# Altium PCB TEBF0808ASCII.PcbDoc (part 8 of 10) (continued)
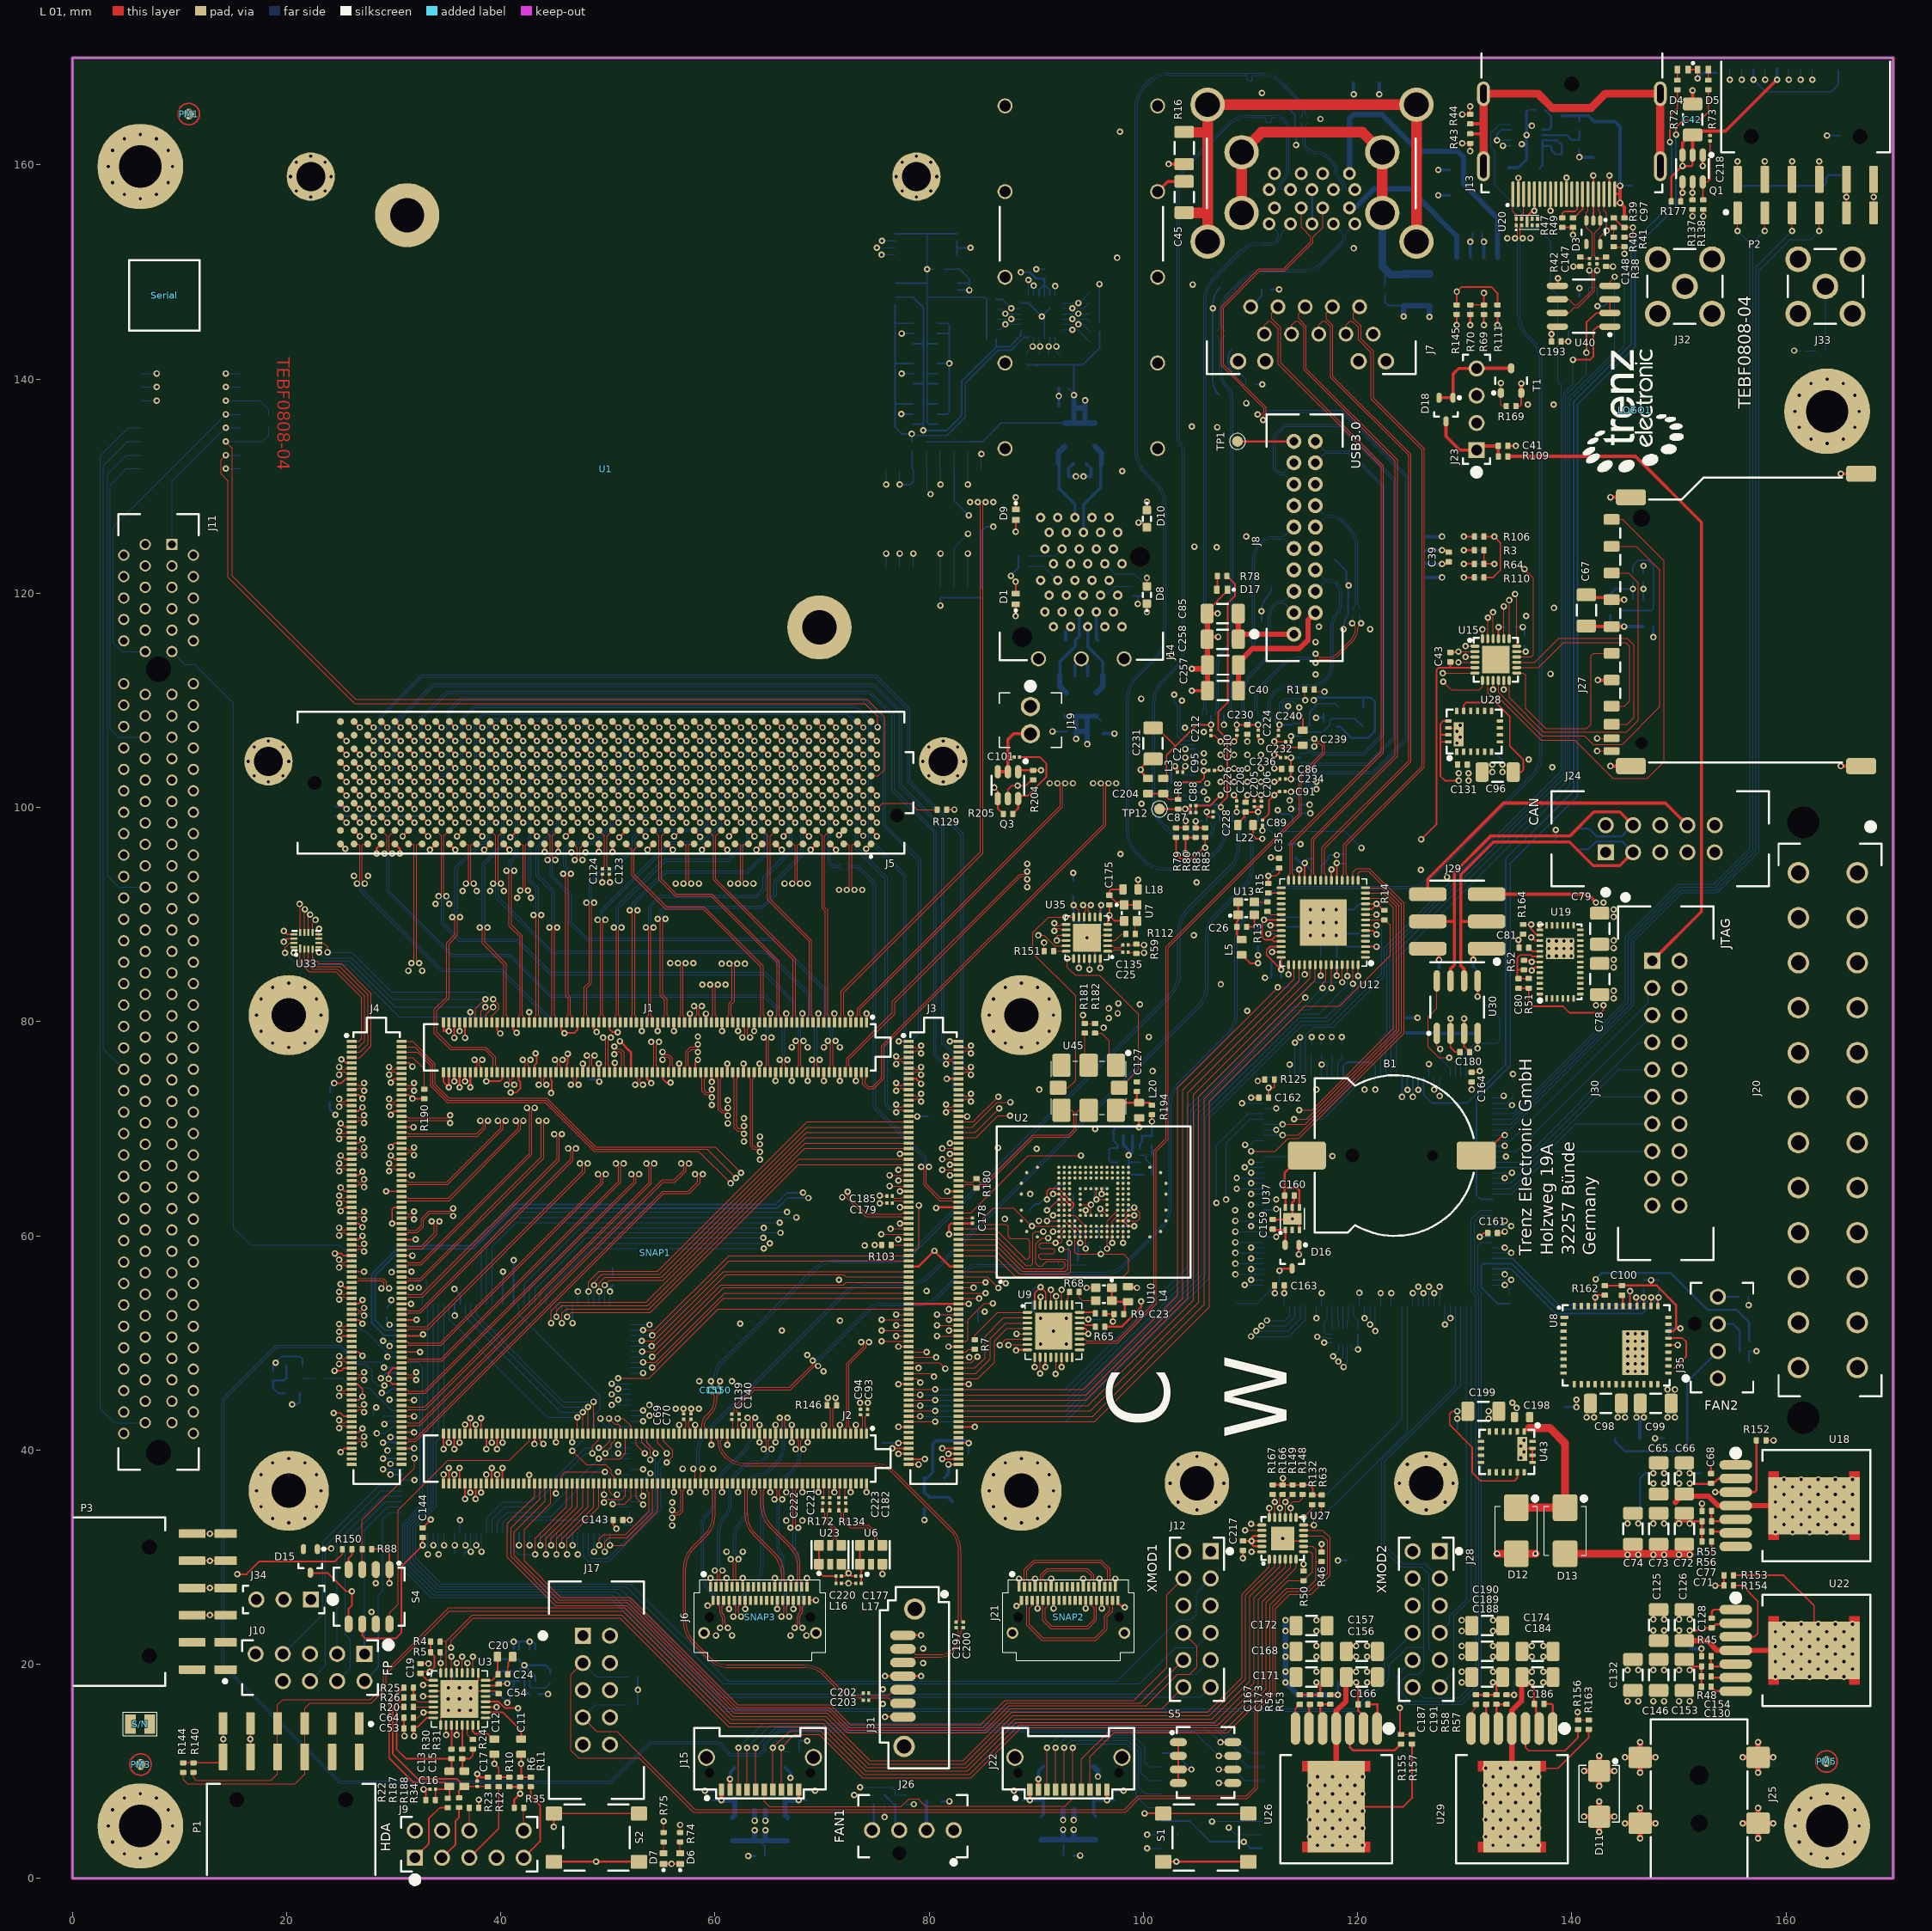
[diagram p0: L 01 view]
## Nets (pads, with @x,y where several pads share a name; then routed paths per layer and width w, separated by ;. In a path a pad name is that pad's centre, name@x,y a point inside that pad or via, vN(x,y) a via of type N, cw(c..) or ccw(c..) an arc to the next point about the centre after c; other vN are vias at no path point) (continued)
MIO29: J3.94 U17.38 | length 30.7
  L 01 w0.1: J3.94@82.74,55.153 v1(84.15,55.153)
  L 03 S w0.1: v1(84.15,55.153) 85.447,55.153 87.775,52.825 103.61,52.825 106.685,55.9 v1(110.06,55.9)
  L 16 w0.1: v1(110.06,55.9) U17.38@111.23,55.9
MIO30: J3.96 U39.48 | length 43.5
  L 01 w0.1: v1(50.35,46.2) v1@50.4,46.25 ; J3.96@82.74,54.653 v1(85.25,54.653)
  L 03 S w0.1: v1(50.35,46.2) 53.325,46.2 55.375,48.25 55.375,49.474 60.301,54.4 83.8,54.4 84.053,54.653 v1(85.25,54.653)
  L 16 w0.1: v1(50.35,46.2) U39.48@52.12,46.2
MIO31: J3.98 U39.49 | length 41.2
  L 01 w0.1: v1(50.95,45.7) v1@51.1,45.7 ; J3.98@82.74,54.153 v1(84.65,54.153)
  L 03 S w0.1: v1(50.95,45.7) 53.15,45.7 55.65,48.2 55.65,49.466 60.337,54.153 v1(84.65,54.153)
  L 16 w0.1: v1(50.95,45.7) U39.49@52.12,45.7
MIO32: J3.87 U39.40 | length 28.6
  L 01 w0.1: v1@53.29,50.2 54.34,50.2 60.793,56.653 J3.87@78.07,56.653
  L 16 w0.1: U39.40@52.12,50.2 v1@53.29,50.2
  other v1: 53.165,50.2
MIO33: J3.89 U39.41 | length 28.8
  L 01 w0.1: v1(54.09,49.7) 54.34,49.7 61.015,56.375 72,56.375 72.222,56.153 J3.89@78.07,56.153
  L 16 w0.1: U39.41@52.12,49.7 v1(54.09,49.7)
MIO34: J3.91 U39.42 | length 28.6
  L 01 w0.1: v1@53.29,49.2 54.34,49.2 60.54,55.4 71.975,55.4 72.228,55.653 J3.91@78.07,55.653
  L 16 w0.1: U39.42@52.12,49.2 v1@53.29,49.2
  other v1: 53.19,49.2
MIO35: J3.93 U39.43 | length 28.6
  L 01 w0.1: v1(54.14,48.7) 54.34,48.7 60.793,55.153 J3.93@78.07,55.153
  L 16 w0.1: U39.43@52.12,48.7 v1(54.14,48.7)
MIO36: J3.95 U39.44 | length 28.6
  L 01 w0.1: v1(53.29,48.2) 54.445,48.2 60.898,54.653 J3.95@78.07,54.653
  L 16 w0.1: U39.44@52.12,48.2 v1(53.29,48.2)
MIO37: J3.97 U39.45 | length 28.6
  L 01 w0.1: v1(54.14,47.7) 54.34,47.7 60.793,54.153 J3.97@78.07,54.153
  L 16 w0.1: U39.45@52.12,47.7 v1(54.14,47.7)
MIO40: J3.106 U39.54 | length 34.3
  L 01 w0.1: v1(81.831,52.153) J3.106@82.74,52.153
  L 03 S w0.1: v1(53.89,43.2) 60.325,43.2 63.525,46.4 74.575,46.4 80.328,52.153 v1(81.831,52.153)
  L 16 w0.1: U39.54@52.12,43.2 v1(53.89,43.2)
MIO41: J3.108 U39.55 | length 34.3
  L 01 w0.1: v1(80.731,51.653) J3.108@82.74,51.653
  L 03 S w0.1: v1(53.29,42.7) 54.2,42.7 54.475,42.975 60.5,42.975 63.625,46.1 74.65,46.1 79.213,50.662 80.203,51.653 v1(80.731,51.653)
  L 16 w0.1: U39.55@52.12,42.7 v1(53.29,42.7)
MIO42: J3.110 U39.60 | length 37.5
  L 01 w0.1: v1(81.831,51.153) J3.110@82.74,51.153
  L 03 S w0.1: v1(50.95,40.475) 52.003,41.528 59.428,41.528 63.725,45.825 74.8,45.825 80.128,51.153 v1(81.831,51.153)
  L 16 w0.1: v1(50.95,40.475) 51.225,40.2 U39.60@52.12,40.2
MIO43: J3.112 U39.61 | length 37.5
  L 01 w0.1: v1(80.731,50.653) J3.112@82.74,50.653
  L 03 S w0.1: v1(50.95,39.7) 52.5,41.25 59.525,41.25 63.8,45.525 74.95,45.525 80.078,50.653 v1(80.731,50.653)
  L 16 w0.1: v1(50.95,39.7) U39.61@52.12,39.7
MIO44: J3.101 U39.47 | length 31
  L 01 w0.1: v1(50.95,46.7) 53.85,46.7 60.303,53.153 J3.101@78.07,53.153
  L 16 w0.1: v1(50.95,46.7) U39.47@52.12,46.7
MMC-CCLK: R103.2 U2.U1 U2.U2 U2.U3 U2.W6 | length 27.4
  L 01 w0.1: v1(74.9,59.15) R103.2@75.555,59.15 ; v1(96.6,58.8) U2.U1@96.6,59.9 U2.U2@96.6,60.4 U2.U3@96.6,60.9 96.6,61.4 U2.W6@97.6,62.4
  L 05 S w0.1: v1(74.9,59.15) 88.375,59.15 89.85,57.675 94.625,57.675 95.75,58.8 v1(96.6,58.8)
MMC-CLKR: J3.77 R103.1 | length 1.6
  L 01 w0.1: R103.1@76.445,59.153 J3.77@78.07,59.153
MMC-CMD: J3.75 R89.2 U2.V1 U2.V2 U2.V3 U2.W5 | length 25.8
  L 01 w0.1: v1(77.1,59.653) J3.75@78.07,59.653 ; v1(97.1,59.35) U2.V1@97.1,59.9 U2.V2@97.1,60.4 U2.V3@97.1,60.9 97.1,61.4 U2.W5@97.6,61.9
  L 05 S w0.1: v1(77.1,59.653) 88.397,59.653 90.125,57.925 94.425,57.925 95.85,59.35 v1(97.1,59.35)
  L 16 w0.1: R89.2@96.75,59.93 97.1,59.58 v1(97.1,59.35)
MMC-D0: J3.72 R90.2 U2.H3 | length 24.3
  L 01 w0.1: J3.72@82.74,60.653 86.122,60.653 88.975,57.8 89.2,57.8 89.4,58 89.4,59.5 89.15,59.75 87.55,59.75 87.375,59.925 87.375,60.9 87.2,61.075 85.225,61.075 85.025,61.275 85.025,61.625 86,62.6 87.864,62.6 89.564,60.9 v1(89.6,60.9) U2.H3@92.1,60.9
  L 16 w0.1: R90.2@89.325,61.48 89.6,61.205 v1(89.6,60.9)
MMC-D1: J3.74 R91.2 U2.H4 | length 22.3
  L 01 w0.1: J3.74@82.74,60.153 86.097,60.153 89.025,57.225 89.475,57.225 89.675,57.425 89.675,60.175 89.9,60.4 v1(90.65,60.4) ; v1(91,61.4) U2.H4@92.1,61.4
  L 05 S w0.1: v1(90.65,60.4) 88.5,60.4 87.9,61 87.9,61.775 88.275,62.15 90.25,62.15 v1(91,61.4)
  L 16 w0.1: v1(91,61.4) 91.955,61.4 R91.2@92.555,62
MMC-D2: J3.76 R92.2 U2.H5 | length 22.3
  L 01 w0.1: J3.76@82.74,59.653 86.122,59.653 88.825,56.95 92.475,56.95 92.675,57.15 92.675,57.425 92.5,57.6 90.95,57.6 90.525,57.175 90.175,57.175 89.95,57.4 89.95,59.25 90.5,59.8 v1(91.1,59.8) ; v1(91.55,61.9) U2.H5@92.1,61.9
  L 05 S w0.1: v1(91.1,59.8) 91.1,60.625 91.85,61.375 91.85,61.6 v1(91.55,61.9)
  L 16 w0.1: v1(91.55,61.9) 91.55,61.945 R92.2@92.555,62.95
MMC-D3: J3.78 R93.2 U2.H1 U2.J2 | length 23.2
  L 01 w0.1: J3.78@82.74,59.153 86.222,59.153 88.675,56.7 92.725,56.7 92.95,56.925 92.95,57.575 92.7,57.825 90.4,57.825 90.25,57.975 90.25,58.2 90.4,58.35 91.6,58.35 91.7,58.45 91.7,58.7 91.575,58.825 90.4,58.825 90.275,58.95 90.275,59.2 90.425,59.35 v1(91.805,59.35) 92.3,59.35 92.4,59.45 92.4,59.625 92.125,59.9 U2.H1@92.1,59.9 U2.J2@92.6,60.4
  L 16 w0.1: v1(91.805,59.35) R93.2@92.555,60.1
MMC-D4: J3.80 R94.2 U2.H2 U2.J3 | length 22.8
  L 01 w0.1: J3.80@82.74,58.653 86.172,58.653 88.375,56.45 93,56.45 93.2,56.65 93.2,58.525 93,58.725 v1(92.325,58.725) ; v1(91.55,60.4) U2.H2@92.1,60.4 U2.J3@92.6,60.9
  L 05 S w0.1: v1(91.55,60.4) 92.425,61.275 93.375,61.275 93.6,61.05 93.6,58.925 93.4,58.725 v1(92.325,58.725)
  L 16 w0.1: v1(91.55,60.4) 91.905,60.4 R94.2@92.555,61.05
MMC-D5: J3.82 R95.2 U2.J4 U2.K3 U2.L1 U2.L2 | length 27.5
  L 01 w0.1: J3.82@82.74,58.153 86.097,58.153 88.025,56.225 98.15,56.225 98.625,56.7 98.625,57.825 98.15,58.3 v1(96.025,58.3) 93.775,58.3 93.6,58.475 U2.L1@93.6,59.9 U2.L2@93.6,60.4 U2.J4@92.6,61.4
  L 16 w0.1: R95.2@95.825,59.08 96.025,58.88 v1(96.025,58.3)
MMC-D6: J3.71 R96.2 U2.J5 U2.K5 U2.N1 U2.N2 U2.N3 | length 26.5
  L 01 w0.1: v1(76.4,60.65) 78.067,60.65 J3.71@78.07,60.653 ; U2.J5@92.6,61.9 U2.K5@93.1,61.9 93.6,61.9 94.1,61.4 U2.N3@94.6,60.9 U2.N2@94.6,60.4 U2.N1@94.6,59.9 v1(94.6,58.8)
  L 05 S w0.1: v1(76.4,60.65) 87.875,60.65 90.325,58.2 93.95,58.2 v1@94.6,58.85
  L 16 w0.1: v1(94.6,58.8) 94.9,59.1 R96.2@94.9,59.505
MMC-D7: J3.73 R99.2 U2.H8 U2.J6 U2.J7 | length 24.8
  L 01 w0.1: v1(75.525,60.15) 78.067,60.15 J3.73@78.07,60.153 ; v1@90.95,62.5 91.2,62.5 U2.H8@92.1,63.4 U2.J7@92.6,62.9 U2.J6@92.6,62.4
  L 05 S w0.1: v1(75.525,60.15) 75.525,60.75 76.725,61.95 79.225,61.95 80.35,63.075 90.325,63.075 v1(91,62.4)
  L 16 w0.1: v1(91,62.4) 92.2,63.6 92.45,63.6 92.555,63.705 R99.2@92.555,63.85
MMC_RST: J3.79 R184.2 U2.U5 | length 26.4
  L 01 w0.1: J3.79@78.07,58.653 78.728,58.653 79.025,58.95 v1(79.025,62.85) ; v1(95.975,62.525) U2.U5@96.6,61.9
  L 05 S w0.1: v1(79.025,62.85) 79.7,63.525 88.025,63.525 89.2,64.7 91.725,64.7 92.95,63.475 92.95,62.8 94.05,61.7 95.15,61.7 v1(95.975,62.525)
  L 16 w0.1: R184.2@95.825,61.72 95.975,61.87 v1(95.975,62.525)
MOD_EN: R153.2 R154.2 U39.119 | length 153.7
  L 01 w0.15: v1(153.38,27.345) 153.385,27.35 R154.2@154.205,27.35 R153.2@154.205,28.3
  L 14 S w0.15: v1(28.995,39.2) 28.362,38.567 28.362,36.988 29.55,35.8 29.55,31.4 37.1,23.85 53.9,23.85 62.05,15.7 96.275,15.7 97.175,14.8 150.45,14.8 153.38,17.73 v1(153.38,27.345)
  L 16 w0.15: v1(28.995,39.2) U39.119@30.78,39.2
MODE0: J2.109 U39.6 | length 18.7
  L 01 w0.1: J2.109@47.155,41.538 v1(47.155,43.045)
  L 16 w0.1: U39.6@35.2,53.62 35.2,52.2 44.355,43.045 v1(47.155,43.045)
MODE1: J2.107 U39.9 | length 17.8
  L 01 w0.1: J2.107@47.655,41.538 v1(47.655,43.535)
  L 16 w0.1: U39.9@36.7,53.62 36.7,52.4 45.565,43.535 v1(47.655,43.535)
MODE2: J2.105 U39.10 | length 18
  L 01 w0.1: J2.105@48.155,41.538 v1(48.155,44.025)
  L 16 w0.1: U39.10@37.2,53.62 37.2,52.65 45.825,44.025 v1(48.155,44.025)
MODE3: J2.103 U39.11 | length 18.3
  L 01 w0.1: J2.103@48.655,41.538 v1(48.655,44.514)
  L 16 w0.1: U39.11@37.7,53.62 37.7,52.675 45.861,44.514 v1(48.655,44.514)
MR: J2.83 U39.92 | length 22.8
  L 01 w0.1: J2.83@53.655,41.538 53.655,40.645 54.45,39.85 v1(54.45,39.7)
  L 16 w0.1: U39.92@40.7,32.28 40.7,33.2 40.95,33.45 51.175,33.45 51.625,33 52.651,33 54.45,34.798 v1(54.45,39.7)
NetC11_1: C11.1 U3.18 | length 4.8
  L 01 w0.15: U3.18@38.58,15.5 40.2,15.5 41.9,13.8 C11.1@41.9,13.01
NetC11_2: C11.2 C55.2 R6.2 R11.1 | length 4.4
  L 01 w0.15: C11.2@41.9,11.59 41.9,9.545 R6.2@41.8,9.445 R11.1@42.8,9.445
  L 16 w0.15: C55.2@41.8,11.85 41.9,11.75 v1(41.9,10.7)
NetC12_1: C12.1 U3.15 | length 2.9
  L 01 w0.15: U3.15@37.39,14.31 37.39,13.72 37.61,13.5 38.8,13.5 39.29,13.01 C12.1@39.4,13.01
NetC12_2: C12.2 C56.2 R10.2 R12.1 | length 4.5
  L 01 w0.15: C12.2@39.4,11.59 v1(39.4,10.7) 39.8,10.3 R12.1@39.8,9.445 R10.2@40.8,9.445
  L 16 w0.15: v1(39.4,10.7) C56.2@39.4,11.85
NetC13_1: C13.1 R20.1 R30.1 | length 11.2
  L 01 w0.15: R20.1@30.955,16 30.55,16 30.275,15.725 30.275,12.05 31.145,11.18 R30.1@35.4,11.18 35.4,10.21 C13.1@35.2,10.01
NetC13_2: C13.2 C16.2 R22.1 R25.2 R187.2 | length 17.4
  L 01 w0.15: R25.2@30.955,17.8 29.575,16.42 29.575,11.25 31.875,8.95 34.84,8.95 C13.2@35.2,8.59 ; R22.1@33.895,7.325 33.905,7.335 C16.2@33.905,8.325 34.935,8.325 C13.2@35.2,8.59 ; R187.2@35.05,7.495 35.2,7.645 C13.2@35.2,8.59
NetC15_1: C15.1 R24.1 R31.1 | length 3
  L 01 w0.15: C15.1@36.6,10.01 36.4,10.21 R31.1@36.4,11.18 37.105,11.18 37.4,11.475 R24.1@37.4,12.08
NetC15_2: C15.2 C17.2 R23.1 R26.2 R188.2 | length 17.2
  L 01 w0.15: R26.2@30.955,16.9 29.9,15.845 29.9,11.625 32.225,9.3 35.89,9.3 C15.2@36.6,8.59 ; R188.2@36.1,7.515 36.1,8.2 36.49,8.59 C15.2@36.6,8.59 ; R23.1@38.8,8.555 38.765,8.59 C15.2@36.6,8.59
NetC20_1: C20.1 C24.1 U3.24 | length 3.1
  L 01 w0.15: U3.24@38.58,18.5 39.2,18.5 C24.1@39.75,19.05 39.75,19.1 39.69,19.16 C20.1@39.69,20.7
NetC23_1: C23.1 L4.2 U10.1 U10.4 | length 4.1
  L 01 w0.2: U10.1@97.05,55.15 U10.4@97.05,53.95 97.16,53.84 L4.2@98.55,53.84 98.25,53.54 98.25,52.9 C23.1@98.05,52.7
NetC26_1: C26.1 L5.2 U13.1 U13.4 | length 3.7
  L 01 w0.2: U13.4@108.85,91.17 U13.1@108.85,89.97 108.85,89.475 108.725,89.35 C26.1@108.725,88.85 108.725,88.11 L5.2@109.175,87.66
NetC41_2: C41.2 D18.3 J23.1 R109.2 | length 7.9
  L 01 w0.3: D18.3@128.25,136.05 128.25,134.65 129.54,133.36 J23.1@131.1,133.36 131.49,133.75 C41.2@133.125,133.75 133.125,132.78 R109.2@133.13,132.775
NetC44_1: C44.1 J7.1 | length 2.1
  L 16 w0.15: J7.1@110.02,146.733 111.025,147.738 C44.1@111.025,148.375
NetC55_1: C55.1 U3.20 | length 4.5
  L 01 w0.15: U3.20@38.58,16.5 39.8,16.5 40.4,15.9 v1(41.6,15.9)
  L 16 w0.15: v1(41.6,15.9) 41.6,14.95 C55.1@41.8,14.75
NetC56_1: C56.1 U3.19 | length 2.4
  L 01 w0.15: U3.19@38.58,16 v1(39.6,16)
  L 16 w0.15: C56.1@39.4,14.75 39.6,14.95 v1(39.6,16)
NetC63_1: C63.1 C64.1 U3.7 U3.10 U3.12 | length 9.1
  L 01 w0.1: C64.1@31.85,15 32.28,15 v1(32.78,15.5)
  L 01 w0.15: v1(32.78,15.5) U3.7@33.7,15.5 ; v1(34.89,13.39) U3.10@34.89,14.31 ; v1(35.89,13.39) U3.12@35.89,14.31
  L 03 S w0.15: v1(32.78,15.5) 32.78,15.02 34.41,13.39 v1(34.89,13.39) v1(35.89,13.39)
  L 16 w0.15: v1(32.78,15.5) 33.61,15.5 C63.1@33.7,15.59
NetC77_1: C77.1 U18.6 | length 2.3
  L 01 w0.2: C77.1@153.05,32.4 155.16,32.4 U18.6@155.3,32.26
NetC80_2: C80.2 R51.1 R52.1 U19.31 | length 5.8
  L 01 w0.15: R52.1@135.525,84.83 134.9,84.83 ; R51.1@135.975,84.02 C80.2@135.025,84.02 134.9,84.145 134.9,84.83 ; U19.31@137,86.075 136.325,86.075 136.175,86.225 135.175,86.225 134.9,85.95 134.9,84.83
NetC81_1: C81.1 U19.30 | length 1.2
  L 01 w0.15: C81.1@135.975,86.9 136.3,86.575 U19.30@137,86.575
NetC87_1: C87.1 C88.1 R8.1 TP12.1 U4.24 | length 4.4
  L 01 w0.15: TP12.1@101.5,99.85 103.245,99.85 R8.1@103.25,99.855 103.895,99.855 v1(103.9,99.85) 104.398,99.85 ; C87.1@104.398,99.525 104.398,99.85 ; C88.1@104.398,100.175 104.398,99.85
  L 16 w0.15: v1(103.9,99.85) U4.24@104.775,99.85
NetC100_2: C100.2 U8.37 | length 1
  L 01 w0.2: U8.37@144.776,53.441 C100.2@144.776,54.451
NetC101_2: C101.2 Q3.6 R205.1 | length 9.1
  L 01 w0.15: Q3.6@88.3,100.82 88.555,101.075 89.175,101.075 90.925,102.825 90.925,104.1 90.325,104.7 C101.2@88.43,104.7
  L 01 w0.2: R205.1@87.795,99.4 88.3,99.905 Q3.6@88.3,100.82
NetC105_1: C105.1 C106.2 J15.1 L2.2 | length 4.9
  L 01 w0.3: v1(60.6,7.3) J15.1@60.6,8.29
  L 16 w0.15: C106.2@59.85,7.3 v1(60.6,7.3)
  L 16 w0.5: v1(60.6,7.3) 61.7,7.3 C105.1@61.85,7.45 61.85,5.89 L2.2@61.65,5.69
NetC109_2: C109.2 C110.1 J15.10 L6.2 | length 4.9
  L 01 w0.3: v1(67.8,7.3) J15.10@67.8,8.29
  L 16 w0.15: v1(67.8,7.3) C110.1@68.55,7.3
  L 16 w0.5: L6.2@66.75,5.69 66.55,5.89 C109.2@66.55,7.45 66.7,7.3 v1(67.8,7.3)
NetC113_1: C113.1 C114.2 J22.1 L13.2 | length 4.9
  L 01 w0.3: v1(89.4,7.3) J22.1@89.4,8.29
  L 16 w0.15: C114.2@88.7,7.3 v1(89.4,7.3)
  L 16 w0.3: v1(89.4,7.3) 90.4,7.3 C113.1@90.65,7.55 90.65,5.99 L13.2@90.45,5.79
NetC117_2: C117.2 C118.1 J22.10 L14.2 | length 4.9
  L 01 w0.3: v1(96.6,7.3) J22.10@96.6,8.29
  L 16 w0.15: v1(96.6,7.3) C118.1@97.35,7.3
  L 16 w0.3: L14.2@95.55,5.79 95.35,5.99 C117.2@95.35,7.55 95.6,7.3 v1(96.6,7.3)
NetC127_2: C127.2 L20.1 R194.2 U45.6 | length 4.9
  L 01 w0.2: U45.6@97.427,71.725 98.138,72.435 L20.1@99.6,72.435 ; C127.2@99.4,73.475 99.4,72.635 L20.1@99.6,72.435 ; R194.2@100.8,72.195 100.56,72.435 L20.1@99.6,72.435
NetC129_1: C129.1 D2.2 U31.9 U31.10 | length 7.8
  L 16 w0.2: C129.1@137.015,159.735 137.235,159.955 U31.10@137.235,161.785 ; U31.10@137.235,161.785 U31.9@137.235,162.285 138.615,162.285 139.065,161.835 D2.2@139.065,160.985 138.465,160.985 138.115,161.335 138.115,161.635 137.965,161.785 U31.10@137.235,161.785
NetC134_2: C134.2 U31.7 | length 2.8
  L 16 w0.2: U31.7@137.235,163.285 137.865,163.285 138.065,163.485 138.065,164.535 C134.2@137.465,165.135
NetC145_1: C145.1 L15.1 U25.1 U25.4 | length 4.5
  L 16 w0.2: L15.1@19.815,45.3 19.225,45.3 18.725,45.8 C145.1@18.725,46.5 19.775,46.5 U25.4@19.975,46.7 U25.1@19.975,47.9
NetC154_1: C154.1 U22.6 | length 2.3
  L 01 w0.2: C154.1@153,18.85 153.1,18.75 U22.6@155.3,18.75
NetC159_1: C159.1 D16.2 U37.1 | length 2.6
  L 01 w0.2: C159.1@112.075,60.625 112.16,60.54 U37.1@113.25,60.54 113.25,59.175 D16.2@113.225,59.15
NetC170_1: C170.1 U12.37 | length 2.2
  L 01 w0.1: v1(111.65,88.2) 111.95,88.5 U12.37@112.86,88.5
  L 16 w0.15: v1(111.65,88.2) 112.2,88.2 C170.1@112.4,88
NetC170_2: C170.2 U12.41 | length 1.8
  L 01 w0.15: v1@112,86.55 v1(112,86.5) ; v1@112,86.55 111.95,86.5 v1(112,86.5) ; U12.41@112.86,86.5 v1(112,86.5)
  L 16 w0.15: v1(112,86.5) 112,86.7 C170.2@112.4,87.1
NetC173_1: C173.1 U26.6 | length 2.3
  L 01 w0.2: U26.6@115.46,14 115.46,16.16 C173.1@115.55,16.25
NetC175_1: C175.1 L18.2 U7.1 U7.4 | length 4.8
  L 01 w0.15: U7.1@98.09,91.01 U7.1@98.2,90.9 ; L18.2@98.09,92.35 96.975,92.35 96.825,92.2 C175.1@96.825,91.8 96.825,91.775 97.475,91.125 97.975,91.125 U7.1@98.2,90.9 ; U7.4@99.4,90.9 U7.1@98.2,90.9
NetC176_2: C176.2 R168.2 | length 0.9
  L 16 w0.1: C176.2@161.9,142.65 R168.2@162.805,142.65
NetC177_2: C177.2 L17.2 U6.1 U6.6 | length 3.4
  L 01 w0.15: U6.1@73.525,29.35 U6.6@73.525,31.1 ; L17.2@73.652,27.55 C177.2@73.652,28.225 U6.1@73.652,29.223
NetC191_1: C191.1 U29.6 | length 2.3
  L 01 w0.2: U29.6@131.86,14 132,14.14 C191.1@132,16.25
NetC192_2: C192.2 R100.1 R133.1 | length 6.7
  L 16 w0.3: C192.2@124.55,78.94 127.235,78.94 R133.1@127.275,78.9 R100.1@131.225,78.9
NetC198_1: C198.1 D12.1 D13.1 U43.1 U43.2 U43.20 | length 14.5
  L 01 w0.75: D12.1@134.816,34.616 D13.1@139.366,34.616 139.366,40.634 137.95,42.05 136,42.05
NetC214_2: C214.2 U46.7 | length 2.7
  L 16 w0.15: U46.7@42.7,18.43 42.7,17.9 42.82,17.78 44.18,17.78 C214.2@44.6,18.2
NetC218_2: C218.2 Q1.6 R138.1 | length 6.1
  L 01 w0.15: C218.2@152.9,162.225 152.9,158.625 152.67,158.395 Q1.6@152.225,158.395 R138.1@152.225,156.77 ; R138.1@152.225,156.77 R138.1@152.275,156.72 R138.1@152.225,156.77
NetC219_2: C219.2 Q2.6 R147.1 | length 10.2
  L 16 w0.15: C219.2@144.45,118.377 147.427,118.377 147.6,118.55 Q2.6@147.6,119.405 147.6,122.575 147.1,123.075 146.2,123.075 145.7,122.575 R147.1@145.7,121.92
NetC220_2: C220.2 L16.2 U23.1 U23.6 | length 4.9
  L 01 w0.15: U23.6@69.7,31.1 U23.1@69.7,29.35 69.7,28.65 70.125,28.225 C220.2@71.298,28.225 L16.2@71.298,27.55
NetC255_2: C255.2 U4.68 Y1.1 | length 5.3
  L 16 w0.12: U4.68@114.645,107.45 115.25,107.45 115.5,107.7 115.5,108.9 116.275,109.675 C255.2@116.8,109.675 117.91,109.675 Y1.1@118.2,109.385
NetC256_2: C256.2 U4.69 Y1.3 | length 6.8
  L 16 w0.12: U4.69@114.645,107.05 C256.2@116.65,107.05 ; C256.2@116.8,107.075 117.4,107.675 117.4,108.1 117.6,108.3 119.735,108.3 Y1.3@120.51,107.525
NetD1_A: D1.A R101.2 | length 58.8
  L 01 w0.15: D1.A@88.075,119.97 v1(88.075,121.075)
  L 03 S w0.1: v1(88.075,121.075) 87.225,120.225 87.225,104.65 112.075,79.8 115.4,79.8 v1(116.65,78.55)
  L 16 w0.1: R101.2@116.65,77.895 v1(116.65,78.55)
NetD3_5: D3.5 J13.18 R39.1 R40.2 TP19.1 | length 7.3
  L 01 w0.1: D3.5@142.65,152.6 142.65,153.25 v1(143.25,153.85) ; J13.18@143,157.258 143,155.75 143.25,155.5 v1(143.25,153.85) ; R40.2@143.9,153.245 R39.1@143.9,154.155 143.555,154.155 v1(143.25,153.85)
  L 16 w0.1: v1(143.25,153.85) TP19.1@143.25,154.5
NetD4_A: D4.A R72.2 | length 1
  L 01 w0.15: R72.2@149.85,167.905 D4.A@149.85,168.89
NetD5_A: D5.A R73.2 | length 1
  L 01 w0.15: R73.2@152.74,167.905 D5.A@152.74,168.89
NetD6_A: D6.A R74.2 | length 1.1
  L 01 w0.1: D6.A@56.75,2.35 R74.2@56.75,3.405
NetD7_A: D7.A R75.2 | length 1.1
  L 01 w0.1: D7.A@55.2,2.35 R75.2@55.2,3.405
NetD8_A: D8.A R102.2 | length 52.8
  L 01 w0.15: D8.A@100.325,120.63 v1(100.325,121.435)
  L 03 S w0.1: v1(100.325,121.435) 101.3,120.46 101.3,92.525 113.575,80.25 115.875,80.25 v1(117.575,78.55)
  L 16 w0.1: R102.2@117.575,77.895 v1(117.575,78.55)
NetD9_A: D9.A R104.2 | length 62.9
  L 01 w0.15: v1(88.08,125.73) D9.A@88.08,126.835
  L 03 S w0.1: v1(88.08,125.73) 86.95,124.6 86.95,104.6 112.1,79.45 114.8,79.45 v1(115.7,78.55)
  L 16 w0.1: R104.2@115.7,77.895 v1(115.7,78.55)
NetD10_A: D10.A R105.2 | length 59.3
  L 01 w0.1: v1(99.55,126.6) 99.875,126.6 D10.A@100.325,126.15
  L 03 S w0.1: v1(99.55,126.6) 101.55,124.6 101.55,92.558 113.608,80.5 116.575,80.5 v1(118.525,78.55)
  L 16 w0.1: R105.2@118.525,77.895 v1(118.525,78.55)
NetD15_3: D15.3 R152.1 S4.5 U18.3 | length 164.7
  L 01 w0.15: D15.3@22.225,28.5 23.875,28.5 25.575,26.8 v1(26.1,26.8) 26.1,25.475 25.795,25.17 S4.5@25.795,23.76
  L 01 w0.2: v1(153.38,36.07) U18.3@155.3,36.07 157.07,36.07 157.23,36.23 R152.1@157.23,40.9
  L 05 S w0.15: v1(26.1,26.8) 48.85,26.8 53.25,31.2 73.275,31.2 98.05,31.2 100.375,33.525 100.375,38.425 115.35,53.4 129.5,53.4 146.83,36.07 v1(153.38,36.07)
NetD17_A: D17.A R78.2 | length 1.3
  L 01 w0.15: D17.A@106.85,120.325 106.905,120.38 R78.2@106.905,121.6
NetD18_1: D18.1 D18.2 J23.4 T1.3 | length 9.2
  L 01 w0.3: D18.2@127.6,138.25 D18.1@128.9,138.25 128.9,140.45 129.43,140.98 J23.4@131.1,140.98 131.12,141 T1.3@134.325,141
NetJ1_108: J1.108 R160.1 | length 1.8
  L 01 w0.15: J1.108@47.655,75.268 v1(47.655,76.078)
  L 16 w0.2: v1(47.655,76.078) 47.655,75.995 48.25,75.4 R160.1@48.25,75.345
NetJ4_15: J4.15 R32.1 | length 2.9
  L 01 w0.15: v1(24.45,74.25) 25.117,74.25 25.52,74.653 J4.15@26.07,74.653
  L 16 w0.15: R32.1@24.05,73.345 24.05,73.85 v1(24.45,74.25)
NetJ4_88: J4.88 R161.2 | length 1.7
  L 01 w0.15: J4.88@30.74,56.653 31.553,56.653 31.556,56.65 v1(31.65,56.65)
  L 16 w0.15: R161.2@31.125,57.25 31.125,57.175 v1(31.65,56.65)
NetJ5_D34: J5.D34 R2.1 | length 9.7
  L 01 w0.2: J5.D34@32.656,100.395 v1(33.205,99.846)
  L 16 w0.15: R2.1@24.55,99.205 24.555,99.2 29.136,99.2 ; 29.137,99.201 32.56,99.201 v1(33.205,99.846)
NetJ7_11: J7.11 R36.1 | length 2.5
  L 16 w0.1: J7.11@108.835,141.653 108.835,140.715 109.555,139.995 R36.1@109.555,139.5
NetJ7_13: J7.13 R37.1 | length 73.2
  L 03 S w0.1: J7.13@120.095,141.653 120.095,139.803 130.975,128.922 130.975,103.691 133.95,100.716 133.95,75.65 v1(134.5,75.1)
  L 16 w0.1: R37.1@134.5,74.445 v1(134.5,75.1)
NetJ9_1: J9.1 R187.1 | length 6.4
  L 01 w0.15: J9.1@31.981,1.93 33.275,3.224 33.275,5.575 34.305,6.605 R187.1@35.05,6.605
NetJ9_3: J9.3 R188.1 | length 5.3
  L 01 w0.15: J9.3@34.521,1.93 35.775,3.184 35.775,5.375 36.1,5.7 R188.1@36.1,6.625
NetJ9_5: J9.5 R12.2 | length 7.8
  L 01 w0.15: J9.5@37.061,1.93 39.8,4.669 R12.2@39.8,8.555
NetJ9_6: J9.6 R34.2 | length 2.1
  L 01 w0.1: R34.2@37.055,6.6 37.061,6.594 J9.6@37.061,4.47
NetJ9_9: J9.9 R11.2 | length 7.6
  L 01 w0.15: J9.9@42.141,1.93 43.661,3.45 43.661,6.839 42.8,7.7 R11.2@42.8,8.555
NetJ9_10: J9.10 R35.2 | length 2.1
  L 01 w0.1: J9.10@42.141,4.47 42.141,6.596 R35.2@42.145,6.6
NetJ10_1: J10.1 R61.2 | length 2.3
  L 16 w0.15: J10.1@27.27,20.96 27.275,20.965 R61.2@27.275,23.28
NetJ10_2: J10.2 R60.2 | length 5.4
  L 16 w0.15: J10.2@27.27,18.42 28.575,19.725 R60.2@28.575,23.305
NetJ13_13: J13.13 R47.2 | length 3.4
  L 01 w0.15: R47.2@139.1,155.045 139.1,155.45 139.3,155.65 140.3,155.65 140.5,155.85 J13.13@140.5,157.258
NetJ13_14: J13.14 R49.1 | length 2.6
  L 01 w0.15: R49.1@140.1,155.045 140.195,155.045 141,155.85 J13.14@141,157.258
NetJ13_F1: J13.F1 J13.F2 J13.F3 J13.F4 R43.2 R44.2 | length 33.7
  L 01 w0.3: R43.2@130.5,162.895 131.75,162.895 ; R44.2@130.5,163.825 131.75,163.825
  L 01 w0.75: J13.F1@131.75,159.858 131.75,162.895 131.75,163.825 J13.F2@131.75,166.638 136.837,166.638 138.175,165.3 141.775,165.3 143.113,166.638 J13.F4@148.25,166.638 J13.F3@148.25,159.858
NetJ24_8: J24.8 J29.6 | length 29.5
  L 01 w0.3: J29.6@126.55,91.89 126.55,93.325 133.625,100.4 148.73,100.4 J24.8@150.79,98.34
  L 16 w0.15: J24.8@150.75,98.38 J24.8@150.79,98.34
NetJ26_2: J26.2 L19.1 | length 2.7
  L 16 w0.3: L19.1@79.74,7.2 79.74,4.51 J26.2@79.745,4.505
NetJ26_3: J26.3 R27.2 R29.1 | length 3.9
  L 16 w0.2: R29.1@75.825,7.795 76.715,6.905 R27.2@76.825,6.905 76.825,4.885 J26.3@77.205,4.505
NetJ26_4: J26.4 R28.2 | length 2.5
  L 16 w0.2: J26.4@74.665,4.505 74.825,4.665 R28.2@74.825,6.905
NetJ29_1: J29.1 R100.2 | length 3.2
  L 01 w0.3: v1(130.8,85.767) 130.8,86.607 131.01,86.817 J29.1@131.85,86.817
  L 16 w0.2: R100.2@130.8,85.125 R100.2@131.225,84.7
  L 16 w0.3: R100.2@130.8,85.125 v1(130.8,85.767)
NetJ29_2: J29.2 R133.2 | length 2.7
  L 01 w0.3: J29.2@126.55,86.81 127.39,86.81 127.6,86.6 v1(127.6,85.76)
  L 16 w0.3: R133.2@127.6,85.025 v1(127.6,85.76)
NetJ32_1: J32.1 R151.2 | length 99.7
  L 01 w0.1: R151.2@90.73,86.575 v1(90.73,87.37)
  L 05 S w0.1: v1(90.73,87.37) 90.73,87.095 95.575,82.25 100.05,82.25 110.5,92.7 110.5,93.2 124.15,106.85 124.15,114.925 150.55,141.325 J32.1@150.55,148.646
NetJ33_1: J33.1 R168.1 | length 6
  L 16 w0.1: J33.1@163.666,148.646 163.695,148.617 R168.1@163.695,142.65
NetJ35_2: J35.2 L21.1 U48.1 | length 17.6
  L 16 w0.2: U48.1@144.05,41.1 144.05,40.775 144.925,39.9 150.1,39.9 150.635,40.435 L21.1@150.775,40.435 150.775,46.371 J35.2@153.633,49.229
NetJ35_3: J35.3 R196.2 R199.1 | length 4.2
  L 16 w0.2: J35.3@153.633,51.769 155.056,51.769 155.655,51.17 R199.1@155.655,50.2 R196.2@155.655,49.225
NetJ35_4: J35.4 R197.2 | length 2
  L 16 w0.15: J35.4@153.633,54.309 153.642,54.3 R197.2@155.605,54.3
NetR9_1: R9.1 U9.24 | length 1.5
  L 01 w0.15: U9.24@94.04,52.85 95.405,52.85 R9.1@95.505,52.75
NetR13_2: R13.2 U13.3 | length 1.2
  L 01 w0.1: U13.3@110.35,91.17 R13.2@111.575,91.17
NetR15_1: R15.1 U12.30 | length 1.2
  L 01 w0.15: R15.1@111.65,92.005 111.655,92 U12.30@112.86,92
NetR19_1: R19.1 U25.3 | length 1.2
  L 16 w0.1: U25.3@21.475,46.7 R19.1@22.63,46.7
NetR20_2: R20.2 U3.6 | length 1.9
  L 01 w0.1: R20.2@31.845,16 U3.6@33.7,16
NetR24_2: R24.2 U3.14 | length 1.6
  L 01 w0.1: U3.14@36.89,14.31 36.89,13.41 37.33,12.97 R24.2@37.4,12.97
NetR25_1: R25.1 R26.1 U3.5 | length 2.9
  L 01 w0.1: R26.1@31.845,16.9 32.245,16.5 U3.5@33.7,16.5
  L 01 w0.15: R26.1@31.845,16.9 R25.1@31.845,17.8
NetR30_2: R30.2 U3.11 | length 2.3
  L 01 w0.15: R30.2@35.39,12.08 R30.2@35.4,12.07 35.4,14.3 U3.11@35.39,14.31
NetR31_2: R31.2 U3.13 | length 2.2
  L 01 w0.15: U3.13@36.39,14.31 36.4,14.3 R31.2@36.4,12.07
NetR45_2: R45.2 R48.1 U22.5 | length 3.3
  L 01 w0.2: R45.2@152.995,20.75 R48.1@152.995,19.8 153.75,19.8 153.97,20.02 U22.5@155.3,20.02
NetR53_2: R53.2 R54.1 U26.5 | length 3.3
  L 01 w0.2: U26.5@116.73,14 116.5,14.23 R54.1@116.5,16.255 R53.2@117.45,16.255
NetR55_2: R55.2 R56.1 U18.5 | length 3.3
  L 01 w0.2: R56.1@153.04,33.355 R55.2@153.04,34.3 ; R56.1@153.045,33.35 155.12,33.35 U18.5@155.3,33.53
NetR57_2: R57.2 R58.1 U29.5 | length 3.3
  L 01 w0.2: U29.5@133.13,14 132.95,14.18 R58.1@132.95,16.255 R57.2@133.9,16.255
NetR65_2: R65.2 U9.22 | length 1.6
  L 01 w0.15: U9.22@94.04,51.85 94.4,51.85 94.6,51.65 95.355,51.65 R65.2@95.505,51.5
NetR66_1: R66.1 R67.1 U31.8 | length 4.5
  L 16 w0.2: U31.8@137.235,162.785 139.515,162.785 139.975,162.325 R67.1@140.69,162.325 R66.1@140.69,163.19
NetR77_2: R77.2 U4.30 | length 1.3
  L 16 w0.1: R77.2@103.495,102.3 103.545,102.25 U4.30@104.775,102.25
NetR79_1: R79.1 R80.2 U4.23 | length 2.9
  L 01 w0.12: R79.1@103.05,98.095 R80.2@103.95,98.095
  L 01 w0.17: R80.2@103.95,98.095 v1(103.95,98.725)
  L 16 w0.17: v1(103.95,98.725) 103.95,99.2 104.2,99.45 U4.23@104.775,99.45
NetR82_2: R82.2 U8.27 | length 1.7
  L 01 w0.15: U8.27@149.026,49.791 149.041,49.806 v1(149.876,49.806)
  L 16 w0.15: R82.2@149.05,49.805 v1(149.876,49.806)
NetR83_1: R83.1 R85.2 U4.22 | length 2.2
  L 01 w0.15: R83.1@104.86,98.095 104.885,98.12 v1(104.885,98.715)
  L 01 w0.17: R83.1@104.86,98.095 R85.2@105.76,98.095
  L 16 w0.15: v1(104.885,98.715) U4.22@105.51,98.715
NetR84_2: R84.2 R97.2 R158.2 R159.2 | length 2.6
  L 16 w0.1: R158.2@141.595,147.7 141.595,148.51 R84.2@141.55,148.555 R97.2@142.45,148.555 142.405,148.51 R159.2@142.405,147.7
NetR112_1: R112.1 U7.3 | length 1.3
  L 01 w0.1: R112.1@99.24,88.175 99.24,89.24 U7.3@99.4,89.4
NetR128_2: R128.2 U3.2 | length 42.9
  L 01 w0.1: v1(32.75,18.05) 32.75,18 U3.2@33.7,18
  L 03 S w0.1: v1(32.35,55.15) 28.25,51.05 28.25,46.2 27.8,45.75 27.8,33.7 31.175,30.325 31.175,19.636 32.75,18.061 v1(32.75,18.05)
  L 16 w0.1: R128.2@32.105,55.95 32.25,55.805 32.25,55.35 32.35,55.25 v1(32.35,55.15)
NetR150_1: R150.1 S4.4 | length 2
  L 01 w0.15: S4.4@25.795,28.84 25.795,29.895 26.09,30.19 R150.1@26.09,30.725
NetR151_1: R151.1 U35.18 | length 1.2
  L 01 w0.1: R151.1@91.62,86.575 U35.18@92.785,86.575
NetR154_1: R154.1 U22.3 | length 8.1
  L 01 w0.15: R154.1@155.095,27.35 155.9,27.35 157.35,25.9 157.35,22.875 157.035,22.56 U22.3@155.3,22.56
NetR155_1: R155.1 U26.3 | length 6.9
  L 01 w0.2: U26.3@119.27,14 119.27,12.255 119.575,11.95 123.445,11.95 R155.1@124.05,12.555
NetR156_1: R156.1 U29.3 | length 8
  L 01 w0.15: U29.3@135.67,14 135.67,12.23 135.975,11.925 139.325,11.925 140.575,13.175 R156.1@140.575,13.9
NetR170_1: R170.1 R171.1 U46.8 | length 2.3
  L 16 w0.2: R170.1@41.745,17.2 R171.1@42.655,17.2 42.2,17.655 U46.8@42.2,18.43
NetR181_2: R181.2 U45.2 | length 3.2
  L 01 w0.1: R181.2@94.525,78.93 94.525,76.287 U45.2@94.887,75.925
NetR182_2: R182.2 U45.1 | length 4.2
  L 01 w0.1: R182.2@95.475,78.93 96.095,78.93 96.825,78.2 96.825,76.527 U45.1@97.427,75.925
NetR191_2: R191.2 R192.2 | length 0.9
  L 16 w0.2: R192.2@100.8,67.52 R191.2@100.8,68.405
NetR192_1: R192.1 R193.2 U47.2 | length 2.7
  L 16 w0.15: U47.2@99.675,67.525 100.15,67.525 100.25,67.425 100.25,67.1 100.72,66.63 R192.1@100.8,66.63 100.8,65.82 R193.2@100.92,65.7
NetR195_2: R195.2 U4.32 | length 1.3
  L 16 w0.1: R195.2@103.495,103.2 103.645,103.05 U4.32@104.775,103.05
NetR200_2: R200.2 U4.7 | length 2.6
  L 16 w0.1: U4.7@111.51,98.715 111.51,98.14 112.605,97.045 R200.2@112.605,96.55